# Altium PCB HLib-MBoard1.PcbDoc (part 2 of 2)
Units mm, origin at the board's own origin, x right, y up, seen from the top; angles counter-clockwise.
Board outline 101.92 x 63.82 mm, 2 copper layers (Top Layer, Bottom Layer), stack 1.671 mm thick; 134 components, 127 nets, 456 pads, 154 vias.
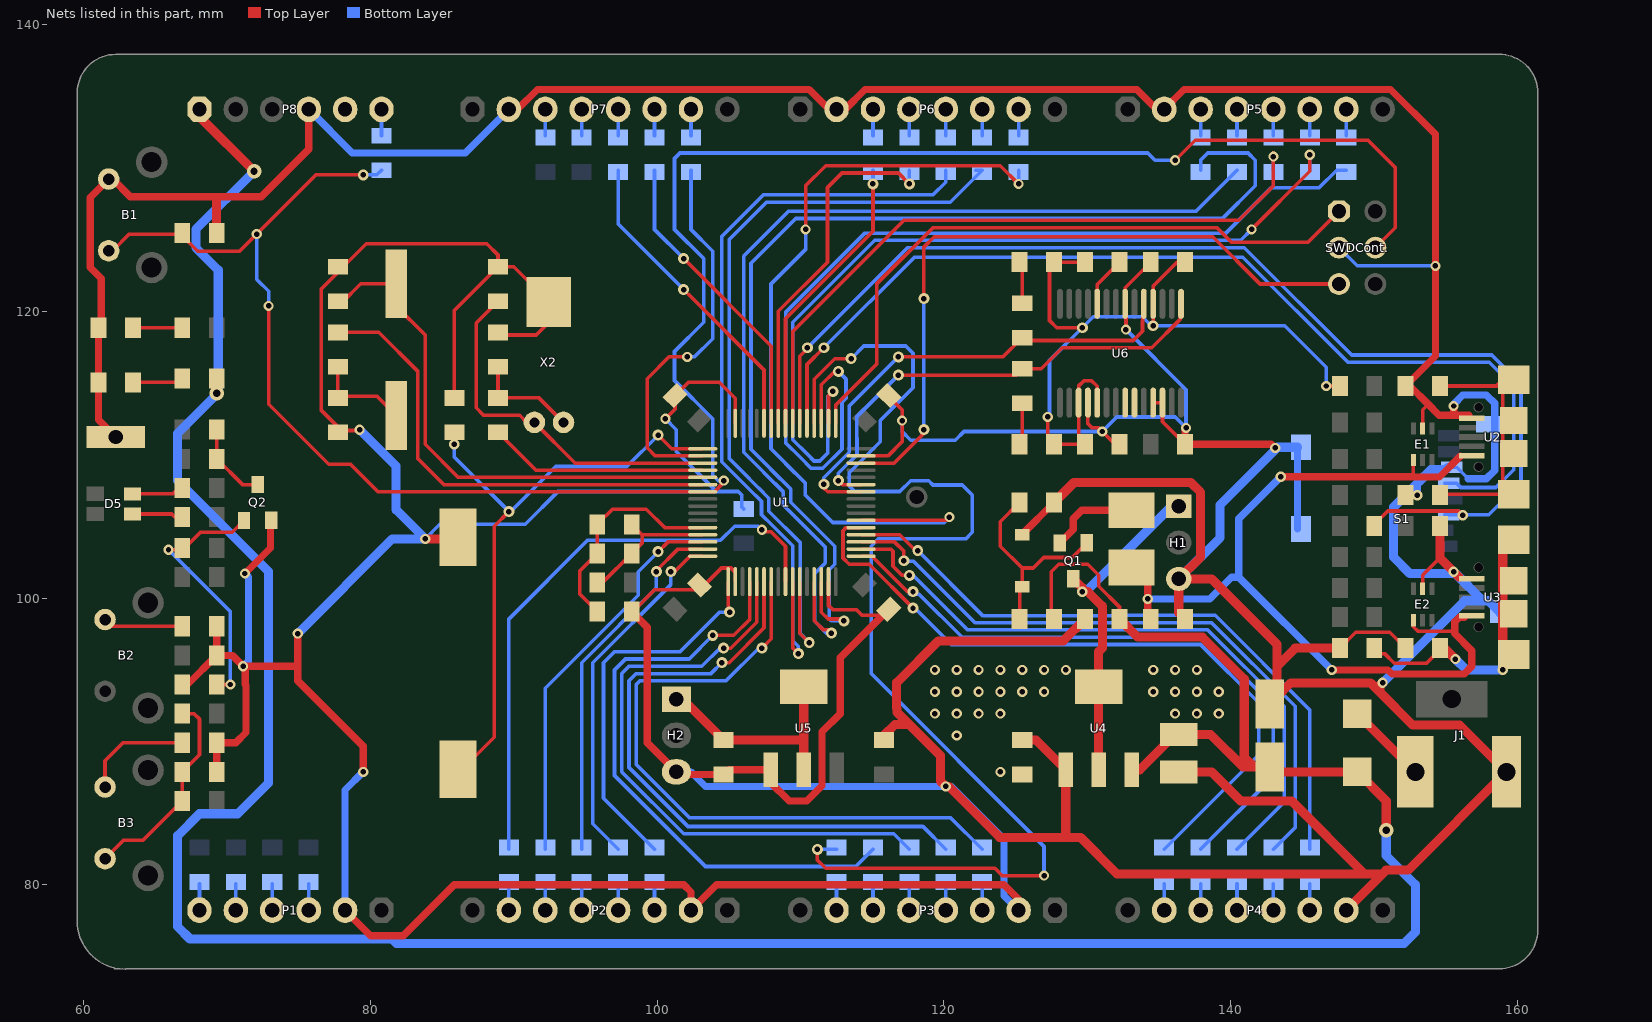
[diagram p2: the nets of this part, all layers, seen from the top]

## Via types
v1: diameter 0.711, hole 0.381, Top Layer to Bottom Layer, tented both sides, 92 vias
v2: diameter 0.762, hole 0.381, Top Layer to Bottom Layer, tented both sides, 51 vias
v3: diameter 1.016, hole 0.508, Top Layer to Bottom Layer, tented both sides, 5 vias
v4: diameter 5, hole 3, Top Layer to Bottom Layer, tented both sides, 4 vias
v5: diameter 1.8, hole 1.5, Top Layer to Bottom Layer, 1 vias
v6: diameter 1.5, hole 1.2, Top Layer to Bottom Layer, 1 vias

## Nets (pads, with @x,y where several pads share a name; then routed paths per layer and width w, separated by ;. In a path a pad name is that pad's centre, name@x,y a point inside that pad or via, vN(x,y) a via of type N, cw(c..) or ccw(c..) an arc to the next point about the centre after c; other vN are vias at no path point) (continued)
GND: B1.1 Bat1.2 C1.1 C2.1 C3.1 C4.1 C5.1 C6.1 C9.1 C10.1 C11.1 C12.1 C13.1 C14.1 C15.1 C16.2 C17.1 C18.1 C19.1 C20.1 C21.1 C22.1 C23.1 C24.2 C25.1 C26.1 C27.1 C28.1 D2.2 D3.2 D4.1 E1.2 E2.2 H1.3 H2.3 J1.2 P1.2 P2.2 P3.2 P4.2 P5.2 P6.2 P7.2 P8.4 Q2.2 R3.1 R7.2 R14.2 R18.1 R24.1 R28.1 R29.1 S1.6 S1.9 S1.10 S1.11 S1.12 SWDCont..3 T1.1 U1.18 U1.31 U1.47 U1.63 U2.5 U3.5 U4.1 U5.1 U6.7 U6.18 U6.25 U6.26 X2.0 | length 750.6
  Top Layer w0.254: v1(79.248,111.76) 79.191,111.703 77.978,111.703 76.581,113.1 76.581,121.596 79.714,124.729 88.123,124.729 88.9,123.952 C6.1@88.9,123.12 ; C4.1@85.852,113.976 85.852,120.072 C6.1@88.9,123.12 ; C5.1@88.9,118.548 89.084,118.364 91.567,118.364 92.456,119.253 X2.0@92.456,120.668 90.004,123.12 C6.1@88.9,123.12 ; R3.1@98.263,99.025 99.822,100.584 102.616,100.584 C9.1@102.957,100.925 103.309,100.925 104.492,102.108 105.156,102.108 105.462,101.802 U1.18@105.462,101.155 ; v1(100.584,112.522) 101.259,113.197 C12.1@101.259,114.133 102.189,115.062 104.347,115.062 105.462,113.947 U1.63@105.462,112.205 ; U1.31@111.962,101.155 111.962,99.493 112.268,99.187 113.919,99.187 114.3,98.806 C10.1@115.743,98.806 ; U1.47@114.237,109.93 116.106,109.93 117.094,110.918 v1(117.094,112.395) 117.094,113.157 116.165,114.086 C11.1@116.165,114.133 ; U6.18@130.059,113.644 130.059,112.17 130.342,111.887 130.81,111.887 v1(131.064,111.633) 131.953,110.744 C16.2@132.264,110.744 ; v1(132.715,118.745) 132.715,120.848 132.659,120.904 132.659,121.667 C15.1@134.436,123.444 ; U6.25@134.609,113.644 U6.26@135.259,113.644 135.259,112.321 C14.1@136.836,110.744 ; R14.2@147.644,96.52 148.747,97.623 151.113,97.623 C19.1@152.216,96.52 ; E2.2@153.416,100.668 153.416,101.614 154.616,102.814 ; E1.2@153.416,111.844 153.416,113.157 153.797,113.538
  Top Layer w0.508: T1.1@62.23,111.252 61.03,112.452 D2.2@61.03,115.062 D3.2@61.03,118.872 61.214,119.056 61.214,122.314 60.452,123.076 60.452,127.96 B1.1@61.738,129.246 62.016,129.246 63.246,128.016 72.39,128.016 75.692,131.318 P8.4@75.692,134.112 ; R24.1@66.872,93.98 67.24,93.98 C27.1@69.272,96.012 ; C26.1@69.272,87.884 R29.1@69.272,89.916 70.612,89.916 71.323,90.627 71.323,93.923 71.266,93.98 71.266,95.104 v1(71.12,95.25) ; R28.1@69.272,98.044 C27.1@69.272,96.012 ; v1(71.247,101.727) 73.025,103.505 73.025,105.385 Q2.2@73.076,105.435 ; v1(74.93,97.536) 74.93,95.25 ; P1.2@78.232,78.232 80.01,76.454 82.296,76.454 85.852,80.01 101.854,80.01 102.362,79.502 P2.2@102.362,78.232 104.14,80.01 124.206,80.01 125.222,78.994 P3.2@125.222,78.232 ; v1(79.502,87.884) 79.502,89.667 74.93,94.239 74.93,95.25 ; P7.2@89.662,134.112 90.267,134.112 91.65,135.495 110.607,135.495 111.989,134.112 P6.2@112.522,134.112 113.127,134.112 114.51,135.495 133.467,135.495 134.849,134.112 P5.2@135.382,134.112 136.765,135.495 151.174,135.495 154.305,132.364 v1(154.305,123.19) 154.305,116.897 C17.1@152.216,114.808 152.527,114.808 153.797,113.538 154.559,112.776 155.575,112.776 ; R3.1@98.228,99.06 R3.1@98.609,98.679 ; R3.1@98.263,99.025 99.314,97.974 99.314,89.916 H2.3@101.346,87.884 101.53,87.7 C23.1@104.648,87.7 104.98,88.032 U5.1@107.936,88.032 107.936,87.136 109.22,85.852 110.438,85.852 111.506,86.92 111.506,90.678 112.776,91.948 112.776,95.839 115.743,98.806 C10.1@116.165,99.227 ; D4.1@125.476,104.441 125.476,104.464 C25.1@127.692,106.68 ; v1(136.906,111.887) 136.836,111.817 C14.1@136.836,110.744 142.875,110.744 v1(143.129,110.49) ; R7.2@152.216,107.188 v1(153.035,107.188) ; v1(155.575,113.411) 155.575,112.776 ; 156.639,112.776 155.575,112.776 ; C27.1@69.272,96.012 70.358,96.012 v1(71.12,95.25) ; v1(71.12,95.25) 74.93,95.25
  Top Layer w0.635: C3.1@69.272,125.476 69.272,127.762 ; v1(83.82,104.14) 85.986,104.14 Bat1.2@86.106,104.26 ; C22.1@115.824,90.424 116.586,91.186 117.602,91.186 ; C21.1@125.476,90.1 126.442,90.1 U4.1@128.51,88.032 128.51,83.326 128.524,83.312 ; C25.1@127.692,106.68 129.089,108.077 137.234,108.077 137.922,107.389 137.922,102.87 H1.3@136.398,101.346 ; R18.1@129.864,98.552 128.34,97.028 119.634,97.028 116.713,94.107 116.713,92.334 116.726,92.321 116.726,92.062 119.761,89.027 119.761,87.249 v1(120.142,86.868) 120.347,86.868 123.903,83.312 128.524,83.312 ; C20.1@136.398,87.884 138.684,87.884 140.716,85.852 144.272,85.852 149.352,80.772 ; C18.1@136.836,98.552 136.398,98.99 H1.3@136.398,101.346 ; C24.2@142.748,92.624 C24.2@143.256,93.132 ; R14.2@147.644,96.52 144.526,96.52 143.256,95.25 ; P4.2@148.082,78.232 150.622,80.772 ; v1(150.622,94.107) 150.446,93.931 150.446,93.423 ; C28.1@154.616,105.156 154.616,102.814 U3.5@155.957,101.474 ; 128.524,83.312 129.54,83.312 132.08,80.772 149.352,80.772 ; H1.3@136.398,101.346 138.684,101.346 143.256,96.774 143.256,95.25 ; C24.2@143.256,93.132 143.256,95.25 ; C24.2@143.256,93.132 144.218,94.094 149.775,94.094 150.446,93.423 ; 149.352,80.772 150.622,80.772 ; 150.446,93.423 152.722,91.148 155.994,91.148 J1.2@159.258,87.884 152.4,81.026 150.876,81.026 150.622,80.772
  Bottom Layer w0.254: v1(83.82,104.14) 84.836,105.156 90.805,105.156 93.091,107.442 104.14,107.442 ; v1(100.584,112.522) 101.346,111.76 101.346,110.236 104.14,107.442 ; C13.1@106.045,106.229 105.918,106.356 105.918,107.188 105.664,107.442 104.14,107.442 ; v1(117.094,112.395) 117.094,111.633 117.704,111.023 120.802,111.023 121.412,111.633 v1(131.064,111.633) 132.08,112.649 136.144,112.649 v1(136.906,111.887) 136.906,114.554 v1(132.715,118.745) ; SWDCont..3@147.574,124.46 148.844,123.19 v1(154.305,123.19) ; S1.6@155.175,109.132 155.79,109.132 156.591,108.331
  Bottom Layer w0.508: v1(71.12,95.25) 71.501,95.631 71.501,101.473 v1(71.247,101.727) ; P8.4@75.692,134.112 78.74,131.064 86.614,131.064 P7.2@89.662,134.112 ; P1.2@78.232,78.232 78.232,86.614 v1(79.502,87.884) ; H2.3@101.346,87.884 102.362,87.884 103.378,86.868 v1(120.142,86.868) 120.523,86.868 124.206,83.185 124.206,79.248 P3.2@125.222,78.232 ; S1.10@144.675,104.832 S1.9@144.675,110.532 ; v1(153.035,107.188) 153.035,108.015 153.162,108.142 ; v1(155.575,113.411) 155.575,113.538 156.21,114.173 157.861,114.173 158.435,113.599 158.435,108.905 157.861,108.331 156.591,108.331
  Bottom Layer w0.635: v1(74.93,97.536) 81.534,104.14 v1(83.82,104.14) 81.788,106.172 81.788,109.22 v1(79.248,111.76) ; H1.3@136.398,101.346 139.281,104.229 139.281,106.515 143.298,110.532 S1.9@144.675,110.532 ; v1(150.622,94.107) 156.338,99.823 157.608,99.823 ; 153.035,108.015 151.384,106.364 151.384,102.87 152.527,101.727 155.703,101.727 157.608,99.823 ; 153.162,108.142 153.998,108.978 155.021,108.978 S1.6@155.175,109.132 ; S1.11@158.825,98.982 157.984,99.823 157.608,99.823
  other v1: 155.576,101.854
GP0: U6.22
GP1: U6.23
I2S_MCLK: R58.1 U1.37 | length 49.5
  Top Layer w0.254: U1.37@114.237,104.93 113.185,104.93 112.97,104.715 112.97,102.803 113.411,102.362 114.808,102.362 v2(117.856,99.314)
  Bottom Layer w0.254: v2@117.742,99.2 118.097,99.2 120.523,96.774 137.922,96.774 141.986,92.71 141.986,89.084 R58.1@135.382,82.48
"IO1 (ADC)": R44.1 U1.25 | length 41.1
  Top Layer w0.254: v1(107.315,104.775) 107.442,104.648 107.95,104.648 108.962,103.636 U1.25@108.962,101.155
  Bottom Layer w0.254: R44.1@89.662,82.48 89.662,98.552 95.148,104.038 104.419,104.038 105.41,105.029 107.061,105.029 v1(107.315,104.775)
"IO1 (ANTI-TAMPER)": R66.1 U1.2 | length 27
  Top Layer w0.254: v1(102.108,116.84) 100.838,116.84 99.314,115.316 99.314,110.49 99.874,109.93 U1.2@103.187,109.93
  Bottom Layer w0.254: v1(102.108,116.84) 102.616,116.84 103.886,118.11 103.886,124.206 102.362,125.73 R66.1@102.362,129.864
"IO1 (P3)": R45.1 U1.52 | length 88.1
  Top Layer w0.254: U1.52@110.962,112.205 110.962,115.28 112.395,116.713 v2(113.538,116.713) ; v2(111.182,82.48) 111.182,81.731 111.76,81.153 123.571,81.153 124.079,80.645 v1(127,80.645)
  Bottom Layer w0.254: v2(111.182,82.48) R45.1@112.522,82.48 ; v2(113.538,116.713) 114.427,117.602 117.348,117.602 117.856,117.094 117.856,114.681 115.57,112.395 115.57,110.915 113.411,108.756 113.411,107.823 113.792,107.442 116.927,107.442 117.689,108.204 118.948,108.204 119.253,107.899 121.292,107.899 121.996,107.195 121.996,104.597 121.539,104.14 115.443,104.14 114.935,103.632 114.935,94.751 127,82.686 v1(127,80.645)
"IO1 (P6)": R60.1 U1.38 | length 57.8
  Top Layer w0.254: v1(110.363,125.73) 110.363,128.778 111.76,130.175 123.952,130.175 v1(125.222,128.905) ; U1.38@114.237,105.43 120.162,105.43 v1(120.396,105.664)
  Bottom Layer w0.254: v1(110.363,125.73) 110.363,124.333 107.95,121.92 107.95,110.432 108.966,109.416 108.966,109.407 110.338,108.036 110.338,107.195 112.25,105.283 120.015,105.283 v1(120.396,105.664) ; v1(125.222,128.905) R60.1@125.222,129.864
IO1/TM2_CH2: R53.1 U1.55 | length 48.1
  Top Layer w0.254: U1.55@109.462,112.205 109.462,118.606 117.221,126.365 140.589,126.365 143.002,128.778 143.002,131.064 v1(143.002,130.81)
  Bottom Layer w0.254: R53.1@143.002,129.864 143.002,131.064 v1(143.002,130.81)
IO2/TM2_CH1: R56.1 U1.50 | length 61.4
  Top Layer w0.254: U1.50@111.962,112.205 111.962,114.121 v2(112.268,114.427) ; v1(141.478,125.73) 145.542,129.794 145.542,131.064 v1(145.542,130.937)
  Bottom Layer w0.254: v2(112.268,114.427) 111.913,114.072 111.913,110.131 111.357,109.576 110.953,109.576 110.49,110.039 110.49,110.047 109.474,111.063 109.474,119.253 115.189,124.968 140.716,124.968 v1(141.478,125.73) ; R56.1@145.542,129.864 145.542,131.064 v1(145.542,130.937)
"IO3 (P5)": R59.1 U1.51 | length 67.6
  Top Layer w0.254: U1.51@111.462,112.205 111.462,114.891 112.395,115.824 v2(112.649,115.824)
  Bottom Layer w0.254: v2(112.649,115.824) 113.182,115.291 113.182,113.944 112.903,113.665 112.903,110.403 111.568,109.068 110.743,109.068 109.982,109.828 109.982,109.837 108.966,110.853 108.966,119.935 114.507,125.476 139.7,125.476 142.875,128.651 146.209,128.651 147.422,129.864 R59.1@148.082,129.864
NetB2_1: B2.1 R28.2 | length 5.6
  Top Layer w0.254: B2.1@61.484,98.512 61.952,98.044 R28.2@66.872,98.044
NetB3_1: B3.1 R29.2 | length 7.7
  Top Layer w0.254: B3.1@61.484,86.828 61.484,88.662 62.738,89.916 R29.2@66.872,89.916
NetB3_2: B3.2 C26.2 R26.1 R27.1 | length 14.6
  Top Layer w0.254: B3.2@61.484,81.828 62.771,83.115 64.135,83.115 R26.1@66.872,85.852 C26.2@66.872,87.884 68.072,89.084 68.072,91.567 67.691,91.948 R27.1@66.872,91.948
NetBat1_1: Bat1.1 C4.2 U1.1 | length 42.9
  Top Layer w0.254: v1(85.852,110.744) C4.2@85.852,111.576 ; Bat1.1@86.106,88.06 86.409,88.06 88.646,90.297 88.646,105.029 v2(89.662,106.045) ; v2(100.076,111.379) 101.025,110.43 U1.1@103.187,110.43
  Bottom Layer w0.254: v1(85.852,110.744) 85.852,109.855 v2(89.662,106.045) 89.789,106.045 92.939,109.195 97.892,109.195 v2(100.076,111.379)
NetC1_2: C1.2 U1.5 X1.1 | length 36.7
  Top Layer w0.254: C1.2@77.978,120.593 79.333,121.948 X1.1@81.788,121.948 81.788,120.396 83.82,118.364 83.82,110.744 86.134,108.43 U1.5@103.187,108.43
NetC2_2: C2.2 R1.1 X1.2 | length 6.5
  Top Layer w0.254: C2.2@77.724,113.976 R1.1@77.724,116.148 ; C2.2@77.978,114.103 80.433,114.103 X1.2@81.788,112.748
NetC5_2: C5.2 R2.2 X2.1 | length 7.5
  Top Layer w0.254: C5.2@88.9,116.148 R2.2@88.9,113.976 91.764,113.976 X2.1@93.472,112.268
NetC6_2: C6.2 U1.3 X2.2 | length 24.9
  Top Layer w0.254: C6.2@88.9,120.72 87.376,119.196 87.376,113.284 87.884,112.776 90.424,112.776 90.932,112.268 X2.2@91.44,112.268 94.295,109.413 U1.3@102.616,109.413
NetC17_2: C17.2 R7.1 U2.6 | length 17
  Top Layer w0.254: R7.1@154.616,107.188 154.673,107.245 159.004,107.245 159.004,110.095 159.004,112.395 159.004,115.245 158.567,114.808 C17.2@154.616,114.808
NetC19_2: C19.2 R14.1 U3.6 | length 19.6
  Top Layer w0.254: R14.1@150.044,96.52 150.425,96.139 150.749,96.139 151.424,95.464 153.681,95.464 154.616,96.399 C19.2@154.616,96.52
  Top Layer w0.635: C19.2@154.616,96.52 154.94,96.52 v1(155.702,95.758) ; v1(159.004,94.996) 159.004,96.069 159.004,98.919 159.004,101.219 U3.6@159.004,104.069
  Bottom Layer w0.635: v1(155.702,95.758) 156.464,94.996 v1(159.004,94.996)
NetC25_2: C25.2 D4.2 Q1.1 R17.1 | length 14.6
  Top Layer w0.254: R17.1@125.292,98.552 125.292,100.607 D4.2@125.476,100.791 125.476,102.108 ; C25.2@125.292,106.68 123.952,105.34 123.952,103.632 125.476,102.108 ; Q1.1@129.982,103.866 128.961,102.845 126.975,102.845 126.238,102.108 125.476,102.108
NetD1_1: D1.1 J1.1 | length 7.8
  Top Layer w0.635: D1.1@148.844,91.946 148.846,91.946 J1.1@152.908,87.884 ; J1.1@153.416,85.852 J1.1@153.416,87.884
NetD2_1: D2.1 R15.1 | length 3.4
  Top Layer w0.254: D2.1@63.43,115.062 R15.1@66.872,115.062
NetD3_1: D3.1 R16.1 | length 3.4
  Top Layer w0.254: D3.1@63.43,118.872 R16.1@66.872,118.872
NetD5_1: D5.1 R22.2 | length 3.3
  Top Layer w0.254: D5.1@63.53,105.88 66.148,105.88 R22.2@66.618,105.41
NetD5_2: D5.2 R23.2 | length 3.3
  Top Layer w0.254: D5.2@63.53,107.28 66.202,107.28 R23.2@66.618,107.696
NetF2_2: F2.2 Q1.2 | length 6.4
  Top Layer w0.508: Q1.2@128.092,103.861 129.032,104.8 129.032,105.537 129.635,106.14 F2.2@133.096,106.14
NetP1_3: P1.3 R32.2 | length 1.8
  Bottom Layer w0.254: P1.3@75.692,78.232 R32.2@75.692,80.08
NetP1_4: P1.4 R35.2 | length 1.8
  Bottom Layer w0.254: P1.4@73.152,78.232 R35.2@73.152,80.08
NetP1_5: P1.5 R38.2 | length 1.8
  Bottom Layer w0.254: P1.5@70.612,78.232 R38.2@70.612,80.08
NetP1_6: P1.6 R41.2 | length 1.8
  Bottom Layer w0.254: P1.6@68.072,78.232 R41.2@68.072,80.08
NetP2_3: P2.3 R33.2 | length 1.8
  Bottom Layer w0.254: P2.3@99.822,78.232 R33.2@99.822,80.08
NetP2_4: P2.4 R36.2 | length 1.8
  Bottom Layer w0.254: P2.4@97.282,78.232 R36.2@97.282,80.08
NetP2_5: P2.5 R39.2 | length 1.8
  Bottom Layer w0.254: P2.5@94.742,78.232 R39.2@94.742,80.08
NetP2_6: P2.6 R42.2 | length 1.8
  Bottom Layer w0.254: P2.6@92.202,78.232 R42.2@92.202,80.08
NetP2_7: P2.7 R44.2 | length 1.8
  Bottom Layer w0.254: P2.7@89.662,78.232 R44.2@89.662,80.08
NetP3_3: P3.3 R34.2 | length 1.8
  Bottom Layer w0.254: P3.3@122.682,78.232 R34.2@122.682,80.08
NetP3_4: P3.4 R37.2 | length 1.8
  Bottom Layer w0.254: P3.4@120.142,78.232 R37.2@120.142,80.08
NetP3_5: P3.5 R40.2 | length 1.8
  Bottom Layer w0.254: P3.5@117.602,78.232 R40.2@117.602,80.08
NetP3_6: P3.6 R43.2 | length 1.8
  Bottom Layer w0.254: P3.6@115.062,78.232 R43.2@115.062,80.08
NetP3_7: P3.7 R45.2 | length 1.8
  Bottom Layer w0.254: P3.7@112.522,78.232 R45.2@112.522,80.08
NetP4_3: P4.3 R46.2 | length 1.8
  Bottom Layer w0.254: P4.3@145.542,78.232 R46.2@145.542,80.08
NetP4_4: P4.4 R49.2 | length 1.8
  Bottom Layer w0.254: P4.4@143.002,78.232 R49.2@143.002,80.08
NetP4_5: P4.5 R52.2 | length 1.8
  Bottom Layer w0.254: P4.5@140.462,78.232 R52.2@140.462,80.08
NetP4_6: P4.6 R55.2 | length 1.8
  Bottom Layer w0.254: P4.6@137.922,78.232 R55.2@137.922,80.08
NetP4_7: P4.7 R58.2 | length 1.8
  Bottom Layer w0.254: P4.7@135.382,78.232 R58.2@135.382,80.08
NetP5_3: P5.3 R47.2 | length 1.8
  Bottom Layer w0.254: R47.2@137.922,132.264 P5.3@137.922,134.112
NetP5_4: P5.4 R50.2 | length 1.8
  Bottom Layer w0.254: R50.2@140.462,132.264 P5.4@140.462,134.112
NetP5_5: P5.5 R53.2 | length 1.8
  Bottom Layer w0.254: R53.2@143.002,132.264 P5.5@143.002,134.112
NetP5_6: P5.6 R56.2 | length 1.8
  Bottom Layer w0.254: R56.2@145.542,132.264 P5.6@145.542,134.112
NetP5_7: P5.7 R59.2 | length 1.8
  Bottom Layer w0.254: R59.2@148.082,132.264 P5.7@148.082,134.112
NetP6_3: P6.3 R48.2 | length 1.8
  Bottom Layer w0.254: R48.2@115.062,132.264 P6.3@115.062,134.112
NetP6_4: P6.4 R51.2 | length 1.8
  Bottom Layer w0.254: R51.2@117.602,132.264 P6.4@117.602,134.112
NetP6_5: P6.5 R54.2 | length 1.8
  Bottom Layer w0.254: R54.2@120.142,132.264 P6.5@120.142,134.112
NetP6_6: P6.6 R57.2 | length 1.8
  Bottom Layer w0.254: R57.2@122.682,132.264 P6.6@122.682,134.112
NetP6_7: P6.7 R60.2 | length 1.8
  Bottom Layer w0.254: R60.2@125.222,132.264 P6.7@125.222,134.112
NetP7_3: P7.3 R61.2 | length 1.8
  Bottom Layer w0.254: R61.2@92.202,132.264 P7.3@92.202,134.112
NetP7_4: P7.4 R62.2 | length 1.8
  Bottom Layer w0.254: R62.2@94.742,132.264 P7.4@94.742,134.112
NetP7_5: P7.5 R63.2 | length 1.8
  Bottom Layer w0.254: R63.2@97.282,132.264 P7.5@97.282,134.112
NetP7_6: P7.6 R64.2 | length 1.8
  Bottom Layer w0.254: R64.2@99.822,132.264 P7.6@99.822,134.112
NetP7_7: P7.7 R66.2 | length 1.8
  Bottom Layer w0.254: R66.2@102.362,132.264 P7.7@102.362,134.112
NetP8_6: P8.6 R65.2 | length 1.8
  Bottom Layer w0.254: R65.2@80.772,132.264 P8.6@80.772,134.112
NetQ2_1: Q2.1 R20.1 R24.2 | length 18.3
  Top Layer w0.254: v1(65.913,103.378) 66.929,103.378 68.148,104.597 70.353,104.597 Q2.1@71.186,105.43 ; R24.2@69.272,93.98 v1(70.231,93.98)
  Bottom Layer w0.254: v1(65.913,103.378) 70.231,99.06 70.231,94.209 v1@70.409,94.031
NetQ2_3: Q2.3 R19.1 R21.2 | length 5.6
  Top Layer w0.254: R19.1@69.272,111.76 R21.2@69.272,109.728 71.07,107.93 Q2.3@72.136,107.93
NetR1_2: R1.2 U1.6 | length 33.4
  Top Layer w0.254: R1.2@77.724,118.548 80.588,118.548 83.312,115.824 83.312,109.728 85.11,107.93 102.321,107.93 U1.6@103.187,107.93
NetR2_1: R2.1 U1.4 | length 15.4
  Top Layer w0.254: R2.1@88.9,111.576 91.546,108.93 U1.4@103.187,108.93
NetR4_1: R4.1 Rx.1 | length 2.9
  Top Layer w0.254: R4.1@125.292,110.744 125.476,110.928 Rx.1@125.476,113.608
NetR5_1: R5.1 Tx.1 | length 2.9
  Top Layer w0.254: R5.1@125.292,123.444 125.476,123.26 Tx.1@125.476,120.58
NetR6_1: R6.1 U6.10 | length 3.5
  Top Layer w0.254: U6.10@130.709,120.544 130.709,121.889 R6.1@132.264,123.444
NRST: B1.2 C3.2 R65.1 SWDCont..4 U1.7 | length 153.4
  Top Layer w0.254: B1.2@61.738,124.246 62.016,124.246 63.176,125.406 66.802,125.406 C3.2@66.872,125.476 66.872,125.279 67.945,124.206 70.866,124.206 v1(72.066,125.406) 76.2,129.54 v2(79.502,129.54) ; v1(72.898,120.396) 72.898,113.538 77.089,109.347 78.613,109.347 80.53,107.43 U1.7@103.187,107.43 104.001,107.43 v1@104.712,108.14 ; v1(136.144,130.556) 137.541,131.953 149.606,131.953 151.511,130.048 151.511,125.857 SWDCont..4@150.114,124.46
  Bottom Layer w0.254: v1(72.066,125.406) 72.066,122.244 72.898,121.412 v1(72.898,120.396) ; v2(79.502,129.54) 80.448,129.54 R65.1@80.772,129.864 ; v1(104.648,108.204) 104.267,108.204 103.886,108.585 103.886,112.522 101.219,115.189 101.219,117.221 103.251,119.253 103.251,123.698 101.219,125.73 101.219,130.683 101.6,131.064 134.239,131.064 134.747,130.556 v1(136.144,130.556)
RXD: Tx.2 U1.42 U6.5 | length 33.9
  Top Layer w0.254: v2@111.633,107.696 111.899,107.43 U1.42@114.237,107.43 ; v2(116.84,116.84) 124.136,116.84 Tx.2@125.476,118.18 125.673,117.983 133.223,117.983 133.872,118.632 133.872,119.315 133.89,119.333 133.89,120.475 U6.5@133.959,120.544
  Bottom Layer w0.254: v2@111.633,107.696 111.633,108.414 113.411,110.192 113.411,113.411 v2(116.84,116.84)
  other v2: 111.633,107.95
SPI1_MISO: R37.1 U1.22 | length 44.4
  Top Layer w0.254: v2@104.775,95.504 105.029,95.504 107.462,97.937 U1.22@107.462,101.155
  Bottom Layer w0.254: v2(104.521,95.504) 103.759,94.742 98.552,94.742 98.044,94.234 98.044,88.185 102.155,84.074 118.548,84.074 R37.1@120.142,82.48
SPI1_MOSI: R34.1 U1.23 | length 46.9
  Top Layer w0.254: v2(107.315,96.52) 107.962,97.167 U1.23@107.962,101.155
  Bottom Layer w0.254: v2(107.315,96.52) 107.102,96.52 104.816,94.234 98.806,94.234 98.552,93.98 98.552,88.392 102.26,84.684 120.478,84.684 R34.1@122.682,82.48
SPI1_NSS/DAC_OUT1: R43.1 U1.20 | length 42.1
  Top Layer w0.254: v2(103.886,97.409) 105.356,97.409 106.462,98.515 U1.20@106.462,101.155
  Bottom Layer w0.254: v2(103.886,97.409) 102.235,95.758 97.79,95.758 97.028,94.996 97.028,87.63 103.378,81.28 113.862,81.28 R43.1@115.062,82.48
SPI1_SCK/DAC_OUT2: R40.1 U1.21 | length 42.9
  Top Layer w0.254: v2(104.648,96.52) 105.149,96.52 106.962,98.333 U1.21@106.962,101.155
  Bottom Layer w0.254: v2(104.648,96.52) 104.394,96.52 103.124,95.25 98.044,95.25 97.536,94.742 97.536,87.884 101.854,83.566 116.516,83.566 R40.1@117.602,82.48
SPI2_MISO: R49.1 U1.35 | length 46
  Top Layer w0.254: U1.35@114.237,103.93 116.567,103.93 117.221,103.276 v2(117.221,102.616)
  Bottom Layer w0.254: v2(117.221,102.616) 117.246,102.591 117.881,102.591 122.187,98.285 132.432,98.285 132.444,98.298 138.684,98.298 144.526,92.456 144.526,84.004 R49.1@143.002,82.48
SPI2_MOSI/I2S2_SD: R46.1 U1.36 | length 46.1
  Top Layer w0.254: U1.36@114.237,104.43 116.931,104.43 v2@118.11,103.251
  Bottom Layer w0.254: v2(118.186,103.327) 122.745,98.768 132.232,98.768 132.27,98.806 138.938,98.806 145.542,92.202 R46.1@145.542,82.48
SPI2_NSS/I2S2_WS: R55.1 U1.33 | length 45.4
  Top Layer w0.254: U1.33@114.237,102.93 115.002,102.93 117.475,100.457 v2(117.856,100.457)
  Bottom Layer w0.254: v2@117.602,100.33 117.665,100.266 118.3,100.266 121.285,97.282 138.176,97.282 143.002,92.456 143.002,87.56 R55.1@137.922,82.48
SPI2_SCK/I2S2_CK: R52.1 U1.34 | length 46
  Top Layer w0.254: U1.34@114.237,103.43 116.305,103.43 116.459,103.276 116.459,102.235 117.094,101.6 v2(117.602,101.6)
  Bottom Layer w0.254: v2(117.602,101.6) 117.856,101.6 121.666,97.79 138.43,97.79 143.764,92.456 143.764,85.782 R52.1@140.462,82.48
SWCLK: SWDCont..1 U1.49 | length 46.1
  Top Layer w0.254: U1.49@112.462,112.205 112.462,113.478 115.316,116.332 115.316,121.92 119.253,125.857 139.065,125.857 140.081,124.841 145.415,124.841 SWDCont..1@147.574,127
SWDIO: SWDCont..5 U1.46 | length 48.9
  Top Layer w0.254: U1.46@114.237,109.43 116.542,109.43 118.618,111.506 v2(118.618,111.76) ; v2(118.618,120.904) 118.618,124.504 119.336,125.222 138.764,125.222 142.066,121.92 SWDCont..5@147.574,121.92
  Bottom Layer w0.254: v2(118.618,111.76) v2(118.618,120.904)
TM3_CH1: R48.1 U1.56 | length 20.2
  Top Layer w0.254: U1.56@108.962,112.205 108.962,119.503 115.062,125.603 v2(115.062,128.905)
  Bottom Layer w0.254: v2(115.062,128.905) R48.1@115.062,129.864
TM3_CH2: R51.1 U1.57 | length 25.3
  Top Layer w0.254: U1.57@108.462,112.205 108.458,112.209 108.458,120.015 111.887,123.444 111.887,128.651 112.903,129.667 116.84,129.667 v2(117.602,128.905)
  Bottom Layer w0.254: v2(117.602,128.905) R51.1@117.602,129.864
TM3_CH3: R54.1 U1.26 | length 54.5
  Top Layer w0.254: U1.26@109.462,101.155 109.462,96.532 v2(109.855,96.139)
  Bottom Layer w0.254: v2(109.855,96.139) 109.855,96.647 109.474,97.028 109.474,103.658 107.62,105.512 107.594,105.512 107.29,105.816 107.29,106.773 106.903,107.16 106.886,107.16 104.521,109.525 104.521,125.24 107.424,128.143 119.253,128.143 120.142,129.032 R54.1@120.142,129.864
TM3_CH4: R57.1 U1.27 | length 55.1
  Top Layer w0.254: U1.27@109.962,101.155 109.962,97.556 v2(110.617,96.901)
  Bottom Layer w0.254: v2(110.617,96.901) 109.982,97.536 109.982,103.89 107.798,106.074 107.798,106.984 107.113,107.668 107.097,107.668 106.426,108.339 106.426,108.355 105.627,109.155 105.62,109.155 105.029,109.746 105.029,125.03 107.634,127.635 120.453,127.635 122.682,129.864 R57.1@122.244,129.864
TM4_CH1: R64.1 U1.58 | length 21
  Top Layer w0.254: v2(101.854,123.698) 107.962,117.59 U1.58@107.962,112.205
  Bottom Layer w0.254: R64.1@99.822,129.864 99.822,125.73 v2(101.854,123.698)
TM4_CH2: R63.1 U1.59 | length 21.4
  Top Layer w0.254: 102.171,121.221 107.462,115.931 U1.59@107.462,112.205
  Bottom Layer w0.254: R63.1@97.282,129.864 97.282,126.111 v2(101.854,121.539)
TXD: Rx.2 U1.43 U6.1 | length 33.2
  Top Layer w0.254: v2(112.649,108.204) 112.923,107.93 U1.43@114.237,107.93 ; v2(116.84,115.57) 125.038,115.57 Rx.2@125.476,116.008 126.803,116.008 128.27,117.475 134.512,117.475 136.49,119.453 136.49,120.475 U6.1@136.559,120.544
  Bottom Layer w0.254: v2(112.649,108.204) 112.649,108.712 113.944,110.007 113.944,111.143 113.919,111.168 113.919,112.649 v2(116.84,115.57)
US2_CTS/TM5_CH4: R42.1 U1.14 | length 27.4
  Top Layer w0.254: v2(100.076,103.251) 100.755,103.93 U1.14@103.187,103.93
  Bottom Layer w0.254: R42.1@92.202,82.48 92.202,93.726 98.679,100.203 98.679,101.854 v2(100.076,103.251)
US2_RTS/TM5_CH3: R39.1 U1.15 | length 25.5
  Top Layer w0.254: v2(99.949,101.854) 99.949,101.916 101.463,103.43 U1.15@103.187,103.43
  Bottom Layer w0.254: R39.1@94.742,82.48 94.742,95.504 99.949,100.711 v2(99.949,101.854)
US2_RX/TM5_CH1: R33.1 U1.17 | length 26.9
  Top Layer w0.254: U1.17@104.962,101.155 104.962,99.127 v2(105.054,99.035)
  Bottom Layer w0.254: R33.1@99.822,82.48 96.266,86.036 96.266,95.504 97.028,96.266 101.6,96.266 104.369,99.035 v2(105.054,99.035)
US2_TX/TM5_CH2: R36.1 U1.16 | length 25
  Top Layer w0.254: v2(100.965,101.854) 101.219,101.854 102.295,102.93 U1.16@103.187,102.93
  Bottom Layer w0.254: R36.1@97.282,82.48 95.504,84.258 95.504,95.504 100.965,100.965 v2(100.965,101.854)
US3_RX/I2C2_SDA/TM2_CH4: R47.1 U1.30 | length 76.5
  Top Layer w0.254: U1.30@111.462,101.155 111.462,99.028 111.938,98.552 112.903,98.552 v2(113.03,98.425)
  Bottom Layer w0.254: v2(113.03,98.425) 112.141,98.425 112.014,98.552 112.014,101.981 112.395,102.362 112.395,103.632 109.322,106.705 109.322,107.615 107.95,108.986 107.95,108.995 106.553,110.392 106.553,123.368 109.677,126.492 139.446,126.492 141.732,128.778 141.732,130.556 141.224,131.064 138.43,131.064 137.922,130.556 R47.1@137.922,129.864
US3_TX/I2C2_SCL/TM2_CH3: R50.1 U1.29 | length 70.8
  Top Layer w0.254: U1.29@110.962,101.155 110.962,98.436 111.608,97.79 v2@112.141,97.79
  Bottom Layer w0.254: v2@112.141,97.79 111.887,97.536 111.862,97.536 110.998,98.4 110.998,101.727 111.735,102.464 111.735,103.574 108.814,106.495 108.814,107.404 107.534,108.684 107.517,108.684 107.442,108.759 107.442,108.785 106.045,110.182 106.045,123.872 109.173,127 137.598,127 R50.1@140.462,129.864
  other v2: 112.166,97.561
USD_CLK: S1.5 U1.53 | length 71.5
  Top Layer w0.254: U1.53@110.462,112.205 110.462,116.304 v2(111.633,117.475)
  Bottom Layer w0.254: v2(111.633,117.475) 117.958,123.8 140.868,123.8 148.209,116.459 158.068,116.459 159.766,114.761 159.766,108.966 158.521,107.721 156.084,107.721 155.774,108.032 S1.5@154.975,108.032
USD_CMD: R31.1 S1.3 U1.54 | length 81.9
  Top Layer w0.254: U1.54@109.962,112.205 109.962,116.882 110.49,117.41 v2(110.49,117.475) ; R31.1@150.044,105.156 150.973,106.085 155.916,106.085 v1(156.21,105.791)
  Bottom Layer w0.254: v2(110.49,117.475) 117.475,124.46 140.97,124.46 148.463,116.967 158.242,116.967 160.274,114.935 160.274,108.077 158.029,105.832 S1.3@154.975,105.832
V_3V: C23.2 H2.1 U5.2 U5.4 | length 15.6
  Top Layer w0.635: H2.1@101.346,92.964 101.784,92.964 C23.2@104.648,90.1 109.912,90.1 ; U5.2@110.236,88.032 U5.4@110.236,93.832
V_5V: C21.2 H1.1 Q1.3 U4.2 U4.4 | length 23.7
  Top Layer w0.635: Q1.3@129.032,101.366 129.667,100.731 v1(129.667,100.457) 130.048,100.457 131.064,99.441 131.064,96.52 130.81,96.266 U4.4@130.81,93.832 U4.2@130.81,88.032
  Bottom Layer w0.635: v1(129.667,100.457) 129.921,100.457 135.89,106.426 H1.1@136.398,106.426
  other v1: 123.952,87.884 120.904,90.424 119.38,91.948 120.904,91.948 122.428,91.948 123.952,91.948 136.144,91.948 137.668,91.948 139.192,91.948 119.38,93.472 120.904,93.472 122.428,93.472 123.952,93.472 125.476,93.472 127,93.472 134.62,93.472 136.144,93.472 137.668,93.472 139.192,93.472 119.38,94.996 120.904,94.996 122.428,94.996 123.952,94.996 125.476,94.996 127,94.996 128.524,94.996 134.62,94.996 136.144,94.996 137.668,94.996
VDDA: C7.2 C8.2 F1.1 U1.13 | length 10.1
  Top Layer w0.254: F1.1@95.828,101.092 96.196,101.092 C7.2@98.228,103.124 98.954,103.85 98.954,104.43 ; C8.2@98.228,105.156 98.954,104.43 ; U1.13@103.187,104.43 98.954,104.43
VEF+(RFU): P8.5
VIN: C20.2 C24.1 D1.2 P8.1 R15.2 R17.2 R18.2 U4.3 | length 214.6
  Top Layer w0.254: R15.2@68.859,114.903 R15.2@69.018,115.062 ; R17.2@127.692,98.552 127.508,98.736 127.508,101.854 128.016,102.362 130.048,102.362 130.81,101.6 130.81,100.838 132.264,99.384 R18.2@132.264,98.552
  Top Layer w0.635: P8.1@68.072,134.112 68.072,133.604 v3(71.882,129.794) ; R18.2@132.264,98.552 133.534,97.282 138.049,97.282 140.97,94.361 140.97,88.9 141.646,88.224 ; U4.3@133.11,88.032 133.674,88.032 136.126,90.484 C20.2@136.398,90.484 138.624,90.484 140.884,88.224 141.646,88.224 ; C24.1@142.748,87.884 143.92,87.884 ; C24.1@142.748,88.224 141.646,88.224 ; 143.918,87.886 D1.2@148.844,87.886 150.876,85.854 v3(150.876,83.82)
  Bottom Layer w0.635: v3(71.882,129.794) 67.818,125.73 67.818,124.46 69.38,122.898 69.38,114.338 66.548,111.506 66.548,108.204 72.898,101.854 72.898,87.122 70.739,84.963 68.072,84.963 66.548,83.439 66.548,77.089 67.412,76.225 81.509,76.225 81.826,75.908 152.108,75.908 152.908,76.708 152.908,80.01 150.876,82.042 v3(150.876,83.82)
  other v3: 69.272,114.3
VO_33: C15.2 C16.1 R4.2 R5.2 R6.2 R8.2 U6.4 U6.17 U6.19 | length 53.9
  Top Layer w0.254: v1(127.254,112.649) 127.254,111.182 R4.2@127.692,110.744 C16.1@129.864,110.744 129.409,111.199 U6.17@129.409,113.644 129.409,114.804 129.768,115.163 130.328,115.163 130.709,114.782 U6.19@130.709,113.644 ; v2(129.667,118.872) 127.889,118.872 127.381,119.38 127.381,123.133 R5.2@127.692,123.444 R6.2@129.864,123.444 ; v2(134.609,119.01) U6.4@134.609,120.544 134.609,121.782 136.271,123.444 C15.2@136.836,123.444 ; v1(146.685,114.808) R8.2@147.644,114.808
  Bottom Layer w0.254: v1@127.381,112.776 127.381,116.586 v2(129.667,118.872) 130.429,119.634 133.858,119.634 134.482,119.01 v2(134.609,119.01) 143.8,119.01 146.685,116.125 v1(146.685,114.808)
VSSA: C7.1 C8.1 R3.2 U1.12 | length 15.4
  Top Layer w0.254: R3.2@95.828,99.06 94.615,100.273 94.615,101.911 C7.1@95.828,103.124 C8.1@95.828,105.156 96.884,106.212 99.249,106.212 100.53,104.93 U1.12@103.187,104.93
VUSB0: C18.2 E1.4 E2.4 F2.1 U2.1 U3.1 | length 60.9
  Top Layer w0.254: E2.4@152.766,98.468 152.766,98.015 153.094,97.687 155.497,97.687 155.649,97.536 ; E1.4@152.766,109.644 152.766,108.473 152.781,108.458
  Top Layer w0.508: F2.1@133.096,102.14 134.239,100.997 v1(134.239,99.949) 134.239,98.749 C18.2@134.436,98.552 ; v1(143.51,108.473) 152.766,108.473 ; v1(147.066,94.996) 151.003,94.996 151.282,94.717 156.312,94.717 156.845,95.25 156.845,96.34 155.649,97.536 155.649,98.351 155.653,98.347 155.985,98.679 U3.1@156.337,98.679 ; 152.781,108.458 154.588,108.458 U2.1@156.034,109.904
  Bottom Layer w0.508: v1(134.239,99.949) 138.557,99.949 140.081,101.473 140.589,101.473 ; v1(143.51,108.473) 140.589,105.552 140.589,101.473 ; v1(147.066,94.996) 140.589,101.473
pads on no net: B1.3 B1.4 B2.3 B2.4 B3.3 B3.4 E1.3 E1.5 E2.3 E2.5 J1.3 S1.1 S1.2 S1.8 SWDCont..6 U2. U2.4 U3. U3.4 U6.2 U6.3 U6.6 U6.8 U6.9 U6.11 U6.12 U6.13 U6.14 U6.21 U6.24 U6.27 U6.28
copper on no net:
  other v4: 62.23,76.835 158.75,76.835 62.23,135.255 158.75,135.255
  other v5: 86.106,92.52
  other v6: 86.106,100.02

## Polygon pours and split planes (outlines as drawn)
V_5V on Bottom Layer "PwrBot" (solid, remove dead copper, pour order 7): 117.602,93.98 117.602,94.107 119.38,95.885 119.761,96.266 128.905,96.266 137.795,96.266 140.081,93.98 141.351,92.71 141.351,89.662 141.351,89.154 136.271,84.074 136.144,84.201 126.365,84.201 125.984,84.201 117.602,92.583
GND on Bottom Layer "Top" (solid, remove dead copper, pour order 6): 59.69,136.652 161.925,136.652 161.29,136.04 161.29,75.438 59.69,75.438
V_5V on Top Layer "PwrTop" (solid, remove dead copper, pour order 5): 117.602,92.71 117.602,94.234 119.634,96.266 120.396,96.266 137.668,96.266 137.922,96.012 141.478,92.456 141.478,89.154 141.224,88.9 136.398,84.074 135.128,84.074 126.238,84.074 117.602,92.71
GND on Top Layer "Top" (solid, remove dead copper, pour order 8): 59.69,136.652 161.29,136.652 161.29,75.438 59.69,75.438

## Keep-outs
Keep-Out Layer:
  lines w0.3: 59.69,135.239 59.69,77.47 ccw(c62.888,77.476) 62.905,74.278 ; 59.693,135.239 cw(c62.235,135.253) 62.23,137.795 158.737,137.795 ; 62.23,74.295 158.753,74.295 ccw(c158.748,76.837) 161.29,76.851 161.29,116.713 161.29,132.207 161.29,135.258 ; 158.75,137.795 cw(c158.764,135.253) 161.306,135.258

## Silkscreen, mask and mechanical layers (free items; w line width, h text height)
Top Overlay:
  drawing of 2888 lines, arcs and shapes, not listed
  text "Power" at 81.534,137.16 h1.52 r180
  text "uniCAN (I2C1, TM4)" at 105.41,137.16 h1.52 r180
  text "uniTM3" at 128.27,137.16 h1.52 r180
  text "uniI2C2 (US3, TM2)" at 151.13,137.16 h1.52 r180
  text "Vin" at 68.58,130.048 h1.27 r90
  text "5V" at 71.12,130.048 h1.27 r90
  text "3V3" at 73.66,130.048 h1.27 r90
  text "RFU" at 78.74,130.048 h1.27 r90
  text "nRst" at 81.28,130.048 h1.27 r90
  text "3V3" at 87.63,129.032 h1.52 r90
  text "TX" at 92.71,129.032 h1.52 r90
  text "RX" at 95.25,129.032 h1.52 r90
  text "PB7" at 97.79,129.032 h1.52 r90
  text "PB6" at 100.33,129.032 h1.52 r90
  text "PC13" at 102.87,129.032 h1.52 r90
  text "5V" at 105.41,129.032 h1.52 r90
  text "3V3" at 110.49,129.032 h1.52 r90
  text "CH1" at 115.57,129.032 h1.52 r90
  text "CH2" at 118.11,129.032 h1.52 r90
  text "CH3" at 120.65,129.032 h1.52 r90
  text "CH4" at 123.19,129.032 h1.52 r90
  text "PC7" at 125.73,129.032 h1.52 r90
  text "5V" at 128.27,129.032 h1.52 r90
  text "3V3" at 133.35,129.032 h1.52 r90
  text "SDA" at 138.43,129.032 h1.52 r90
  text "SCL" at 140.97,129.032 h1.52 r90
  text "PB3" at 143.51,129.032 h1.52 r90
  text "PA15" at 146.05,129.032 h1.52 r90
  text "PC13" at 148.59,129.032 h1.52 r90
  text "5V" at 151.13,129.032 h1.52 r90
  text "33" at 91.694,127.508 h1.27
  text "32" at 94.234,127.508 h1.27
  text "31" at 96.774,127.508 h1.27
  text "30" at 99.314,127.508 h1.27
  text "29" at 101.854,127.508 h1.27
  text "28" at 114.554,127.508 h1.27
  text "27" at 117.094,127.508 h1.27
  text "26" at 119.634,127.508 h1.27
  text "25" at 122.174,127.508 h1.27
  text "24" at 124.714,127.508 h1.27
  text "23" at 137.414,127.508 h1.27
  text "22" at 139.954,127.508 h1.27
  text "21" at 142.494,127.508 h1.27
  text "20" at 144.272,127.508 h1.27
  text "RESET" at 66.04,127 h1.52
  text "19" at 144.272,125.984 h1.27
  text "SWD" at 142.24,123.063 h1.52
  text "MBoard - 1" at 99.314,122.428 h2.54
  text "rev1.2" at 113.284,122.428 h1.27
  text "cont." at 142.24,121.793 h1.52
  text "3V3" at 60.96,120.142 h1.52
  text "HLib" at 102.616,119.38 h2.03
  text "CLK" at 146.431,119.126 h1.27
  text "3V3" at 149.225,119.126 h1.27
  text "An Arm-based" at 100.549,118.202 h1.27
  text "GND" at 146.431,117.856 h1.27
  text "Rst" at 149.225,117.856 h1.27
  text "Hardware Library" at 100.584,117.094 h1.27
  text "CSE" at 111.506,117.094 h2.03
  text "DIO" at 146.431,116.586 h1.27
  text "NC" at 149.225,116.586 h1.27
  text "Vin" at 61.03,116.332 h1.52
  text "Btn0/" at 60.198,102.616 h1.78
  text "Prog" at 60.198,101.092 h1.78
  text "Btn1" at 60.198,89.408 h1.78
  text "4" at 89.154,84.074 h1.27
  text "5" at 91.694,84.074 h1.27
  text "6" at 94.234,84.074 h1.27
  text "7" at 96.774,84.074 h1.27
  text "8" at 99.314,84.074 h1.27
  text "9" at 112.014,84.074 h1.27
  text "10" at 114.554,84.074 h1.27
  text "11" at 117.094,84.074 h1.27
  text "12" at 119.38,84.074 h1.27
  text "13" at 121.92,84.074 h1.27
  text "14" at 134.874,84.074 h1.27
  text "15" at 137.414,84.074 h1.27
  text "16" at 139.954,84.074 h1.27
  text "17" at 142.494,84.074 h1.27
  text "18" at 144.78,84.074 h1.27
  text "0" at 67.818,82.804 h1.27
  text "1" at 70.358,82.804 h1.27
  text "2" at 72.898,82.804 h1.27
  text "3" at 75.438,82.804 h1.27
  text "3V3" at 104.394,82.55 h1.52 r270
  text "3V3" at 127.254,82.55 h1.52 r270
  text "3V3" at 150.114,82.55 h1.52 r270
  text "3V3" at 80.264,82.296 h1.4 r270
  text "5V" at 87.63,80.01 h1.52 r90
  text "PC5" at 90.17,80.01 h1.52 r90
  text "CTS" at 92.71,80.01 h1.52 r90
  text "RTS" at 95.25,80.01 h1.52 r90
  text "TX" at 97.79,80.01 h1.52 r90
  text "RX" at 100.33,80.01 h1.52 r90
  text "5V" at 110.49,80.01 h1.52 r90
  text "PC11" at 113.03,80.01 h1.52 r90
  text "NSS" at 115.57,80.01 h1.52 r90
  text "SCK" at 118.11,80.01 h1.52 r90
  text "MISO" at 120.65,80.01 h1.52 r90
  text "MOSI" at 123.19,80.01 h1.52 r90
  text "5V" at 133.35,80.01 h1.52 r90
  text "PC6" at 135.89,80.01 h1.52 r90
  text "NSS" at 138.43,80.01 h1.52 r90
  text "SCK" at 140.97,80.01 h1.52 r90
  text "MISO" at 143.51,80.01 h1.52 r90
  text "MOSI" at 146.05,80.01 h1.52 r90
  text "In10" at 68.58,79.756 h1.27 r90
  text "In11" at 71.12,79.756 h1.27 r90
  text "In12" at 73.66,79.756 h1.27 r90
  text "In13" at 76.2,79.756 h1.27 r90
  text "stdADC" at 67.31,74.93 h1.52
  text "uniUS2(ADC, TM5)" at 86.36,74.93 h1.52
  text "uniSPI1(ADC, DAC)" at 109.22,74.93 h1.52
  text "uniSPI2(I2S)" at 132.08,74.93 h1.52
Bottom Overlay:
  lines w0.203: 60.452,118.11 88.392,118.11 ; 66.802,84.582 82.042,84.582 ; 66.802,127.762 82.042,127.762 ; 69.596,106.934 88.392,106.934 ; 85.852,84.582 106.172,84.582 ; 85.852,127.762 106.172,127.762 ; 108.712,84.582 129.032,84.582 ; 108.712,127.762 129.032,127.762 ; 131.572,84.582 151.892,84.582 ; 131.572,127.762 146.05,127.762 ; 142.494,122.936 146.05,122.936 ; 145.796,122.682 146.05,122.936 ; 145.796,123.19 146.05,122.936 ; 146.542,123.255 cw(c146.129,123.314) 146.304,122.936 146.05,122.936 ; 146.558,123.317 146.558,127.889 ; 146.574,127.951 cw(c146.987,127.892) 146.812,128.27 151.892,128.27 ; 151.638,128.016 151.892,128.27 ; 151.638,128.524 151.892,128.27
  text "Vin" at 68.326,127.254 h1.52 r90
  text "5V" at 71.12,127.254 h1.52 r90
  text "3V3" at 73.66,127.254 h1.52 r90
  text "GND" at 76.2,127.254 h1.52 r90
  text "RFU" at 78.74,127.254 h1.52 r90
  text "nRst" at 81.28,127.254 h1.52 r90
  text "3V3" at 87.376,127.254 h1.52 r90
  text "GND" at 90.17,127.254 h1.52 r90
  text "PB9" at 92.71,127.254 h1.52 r90
  text "PB8" at 95.25,127.254 h1.52 r90
  text "PB7" at 97.79,127.254 h1.52 r90
  text "PB6" at 100.33,127.254 h1.52 r90
  text "PC13" at 102.87,127.254 h1.52 r90
  text "5V" at 105.41,127.254 h1.52 r90
  text "3V3" at 110.236,127.254 h1.52 r90
  text "GND" at 113.03,127.254 h1.52 r90
  text "PB4" at 115.57,127.254 h1.52 r90
  text "PB5" at 118.11,127.254 h1.52 r90
  text "PB0" at 120.65,127.254 h1.52 r90
  text "PB1" at 123.19,127.254 h1.52 r90
  text "PC7" at 125.73,127.254 h1.52 r90
  text "5V" at 128.27,127.254 h1.52 r90
  text "3V3" at 133.096,127.254 h1.52 r90
  text "GND" at 135.89,127.254 h1.52 r90
  text "PB11" at 138.43,127.254 h1.52 r90
  text "PB10" at 140.97,127.254 h1.52 r90
  text "PB3" at 143.51,127.254 h1.52 r90
  text "PA15" at 146.05,127.254 h1.52 r90
  text "RESET" at 65.024,126.492 h1.52
  text "PC10" at 143.51,122.428 h1.52 r90
  text "5V" at 146.05,122.428 h1.52 r90
  text "Notes" at 88.392,118.618 h1.52
  text "In one port, there are many functions." at 88.392,116.586 h1.52
  text "For example, P2 can act as a uni US2 cont.," at 88.392,115.062 h1.52
  text "a uni ADC cont., or a uni TM5 cont.,..." at 88.392,113.538 h1.52
  text "(USB<->US1)" at 151.892,113.284 h1.27
  text "Programming" at 160.528,113.284 h1.27
  text "Some functions can be used as AFs," at 88.392,111.506 h1.52
  text "others must be remapped." at 88.392,109.982 h1.52
  text "GND" at 64.008,109.22 h1.52
  text "5V" at 137.922,108.204 h1.52
  text "Abbreviations" at 88.392,107.442 h1.52
  text "5V +" at 141.478,105.918 h1.52
  text "Btn : Button," at 76.708,105.156 h1.52
  text "US : USART," at 88.392,105.156 h1.52
  text "Usr : User," at 76.708,103.632 h1.52
  text "TM : Timer," at 88.392,103.632 h1.52
  text "5V -" at 141.478,103.378 h1.52
  text "SWD : Serial wire debug," at 88.392,102.108 h1.52
  text "GND" at 141.478,100.838 h1.52
  text "uni : universal," at 76.708,100.584 h1.52
  text "std : standard," at 88.392,100.584 h1.52
  text "cont : connector," at 88.392,99.06 h1.52
  text "RFU : reserved for future use," at 88.392,97.536 h1.52
  text "Native USB" at 160.528,97.028 h1.27
  text "Btn0/" at 64.516,96.52 h1.52
  text "Prog" at 64.516,94.996 h1.52
  text "3V3" at 102.87,94.742 h1.52
  text "3V3 +" at 107.442,92.71 h1.52
  text "3V3 -" at 107.442,90.424 h1.52
  text "GND" at 107.442,88.138 h1.52
  text "PC0" at 67.564,85.09 h1.52 r270
  text "PC1" at 70.104,85.09 h1.52 r270
  text "PC2" at 72.644,85.09 h1.52 r270
  text "PC3" at 75.184,85.09 h1.52 r270
  text "GND" at 77.724,85.09 h1.52 r270
  text "3V3" at 80.518,85.09 h1.52 r270
  text "5V" at 86.614,85.09 h1.52 r270
  text "PC5" at 89.154,85.09 h1.52 r270
  text "PA0" at 91.694,85.09 h1.52 r270
  text "PA1" at 94.234,85.09 h1.52 r270
  text "PA2" at 96.774,85.09 h1.52 r270
  text "PA3" at 101.092,85.09 h1.52
  text "GND" at 104.648,85.09 h1.52
  text "3V3" at 105.156,85.09 h1.52 r270
  text "5V" at 109.474,85.09 h1.52 r270
  text "PC11" at 112.014,85.09 h1.52 r270
  text "PA4" at 114.554,85.09 h1.52 r270
  text "PA5" at 117.094,85.09 h1.52 r270
  text "PA6" at 119.634,85.09 h1.52 r270
  text "PA7" at 122.174,85.09 h1.52 r270
  text "GND" at 124.714,85.09 h1.52 r270
  text "3V3" at 127.508,85.09 h1.52 r270
  text "5V" at 132.334,85.09 h1.52 r270
  text "PC6" at 134.874,85.09 h1.52 r270
  text "PB12" at 137.414,85.09 h1.52 r270
  text "PB13" at 139.954,85.09 h1.52 r270
  text "PB14" at 142.494,85.09 h1.52 r270
  text "PB15" at 145.034,85.09 h1.52 r270
  text "GND" at 147.574,85.09 h1.52 r270
  text "3V3" at 150.368,85.09 h1.52 r270
  text "Btn1" at 64.516,83.82 h1.52

## Dimensions
59.69,77.47 to 161.29,76.851 on Keep-Out Layer
62.23,137.795 to 62.23,74.295 on Keep-Out Layer